# Altium PCB PuttPilot-Node.PcbDoc (part 1 of 2)
Units mm, origin at the board's own origin, x right, y up, seen from the top; angles counter-clockwise.
Board outline 130 x 60 mm, 4 copper layers (L01-SIG, L02-GND, L03-PWR, L04-SIG), stack 0.603 mm thick; 152 components, 66 nets, 381 pads, 496 vias.
Unrouted connection lines stored in the file: 140.
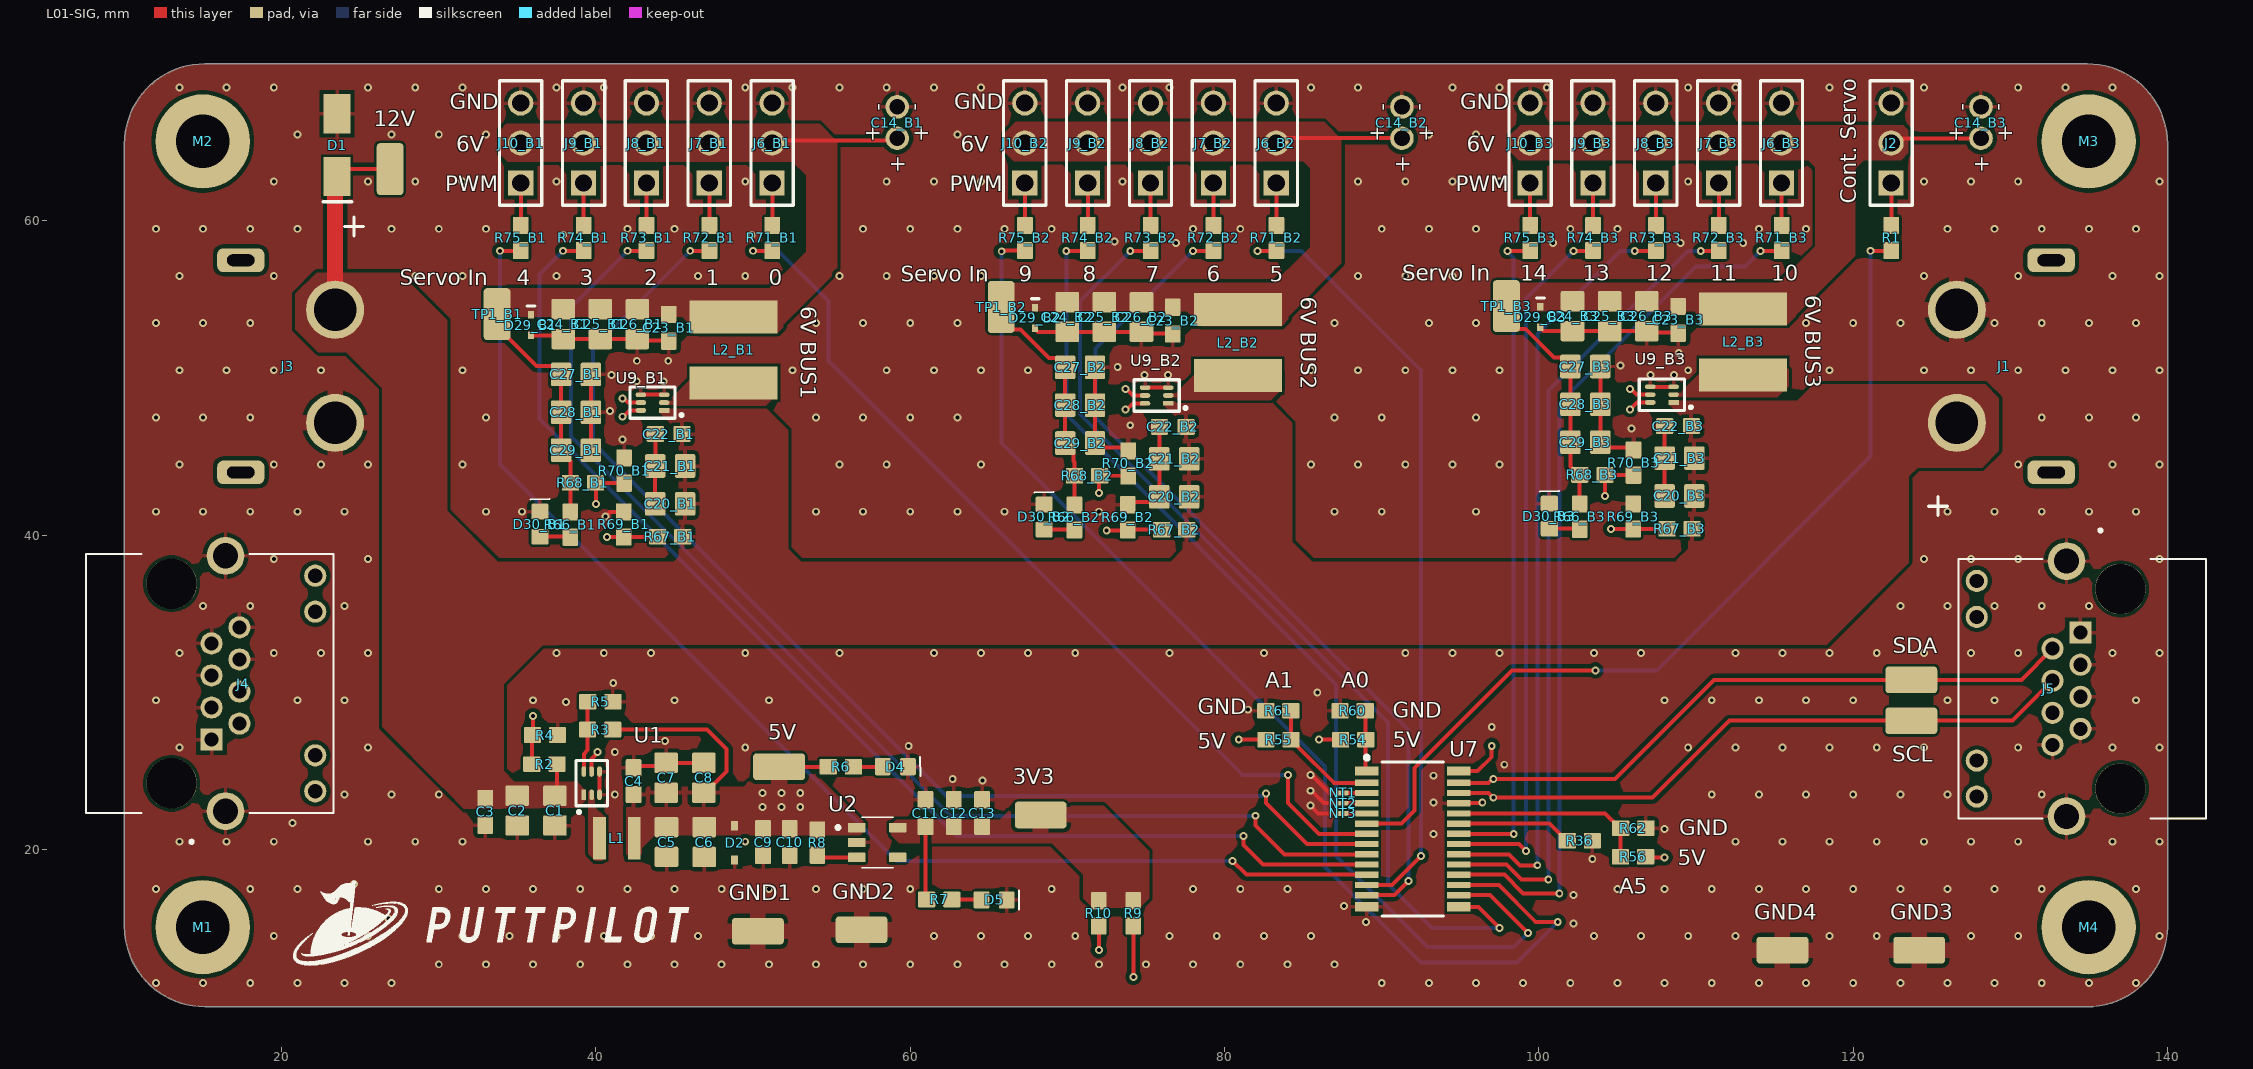
[diagram p0: L01-SIG view]
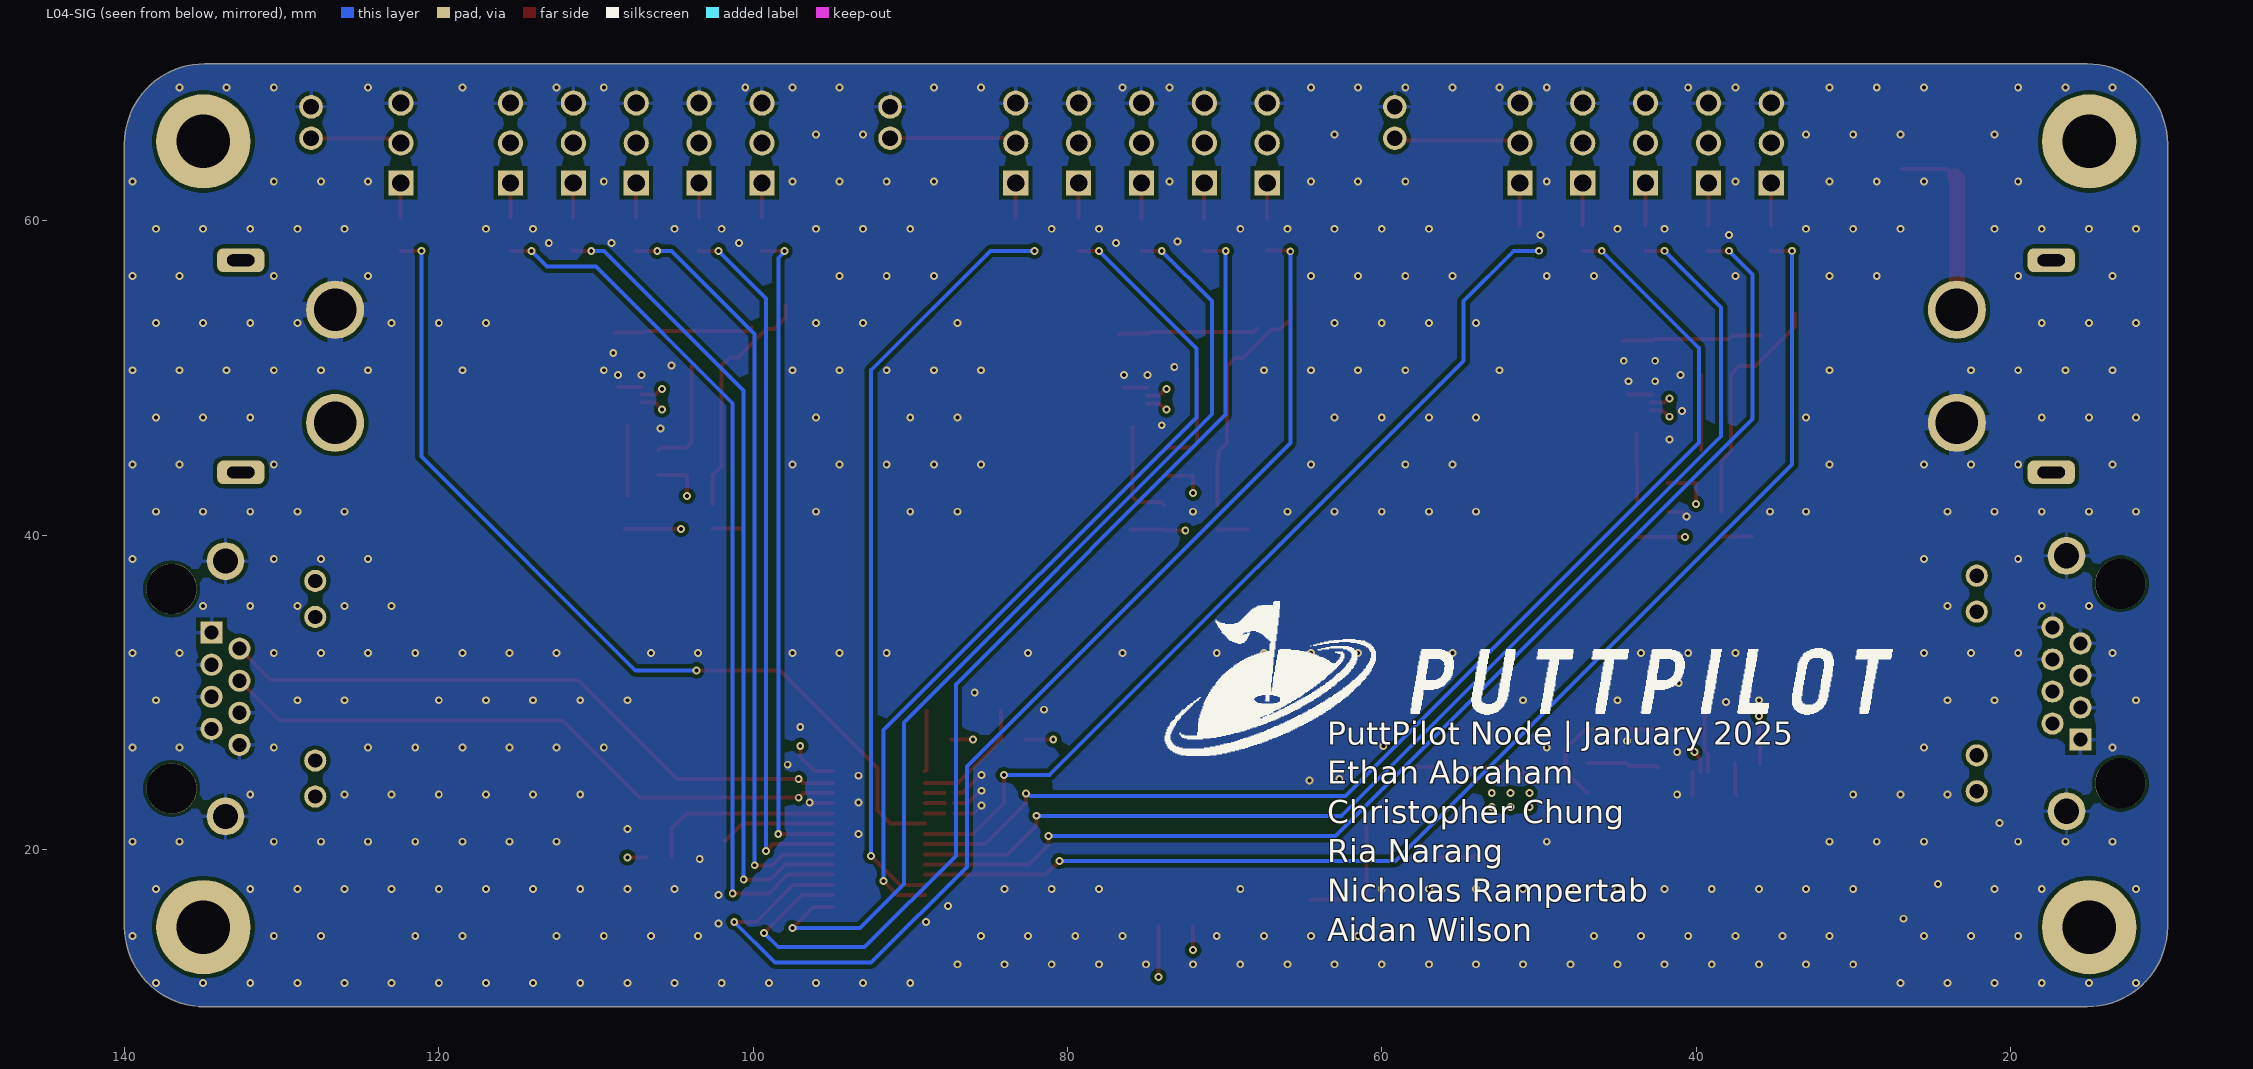
[diagram p1: L04-SIG view, seen from below]
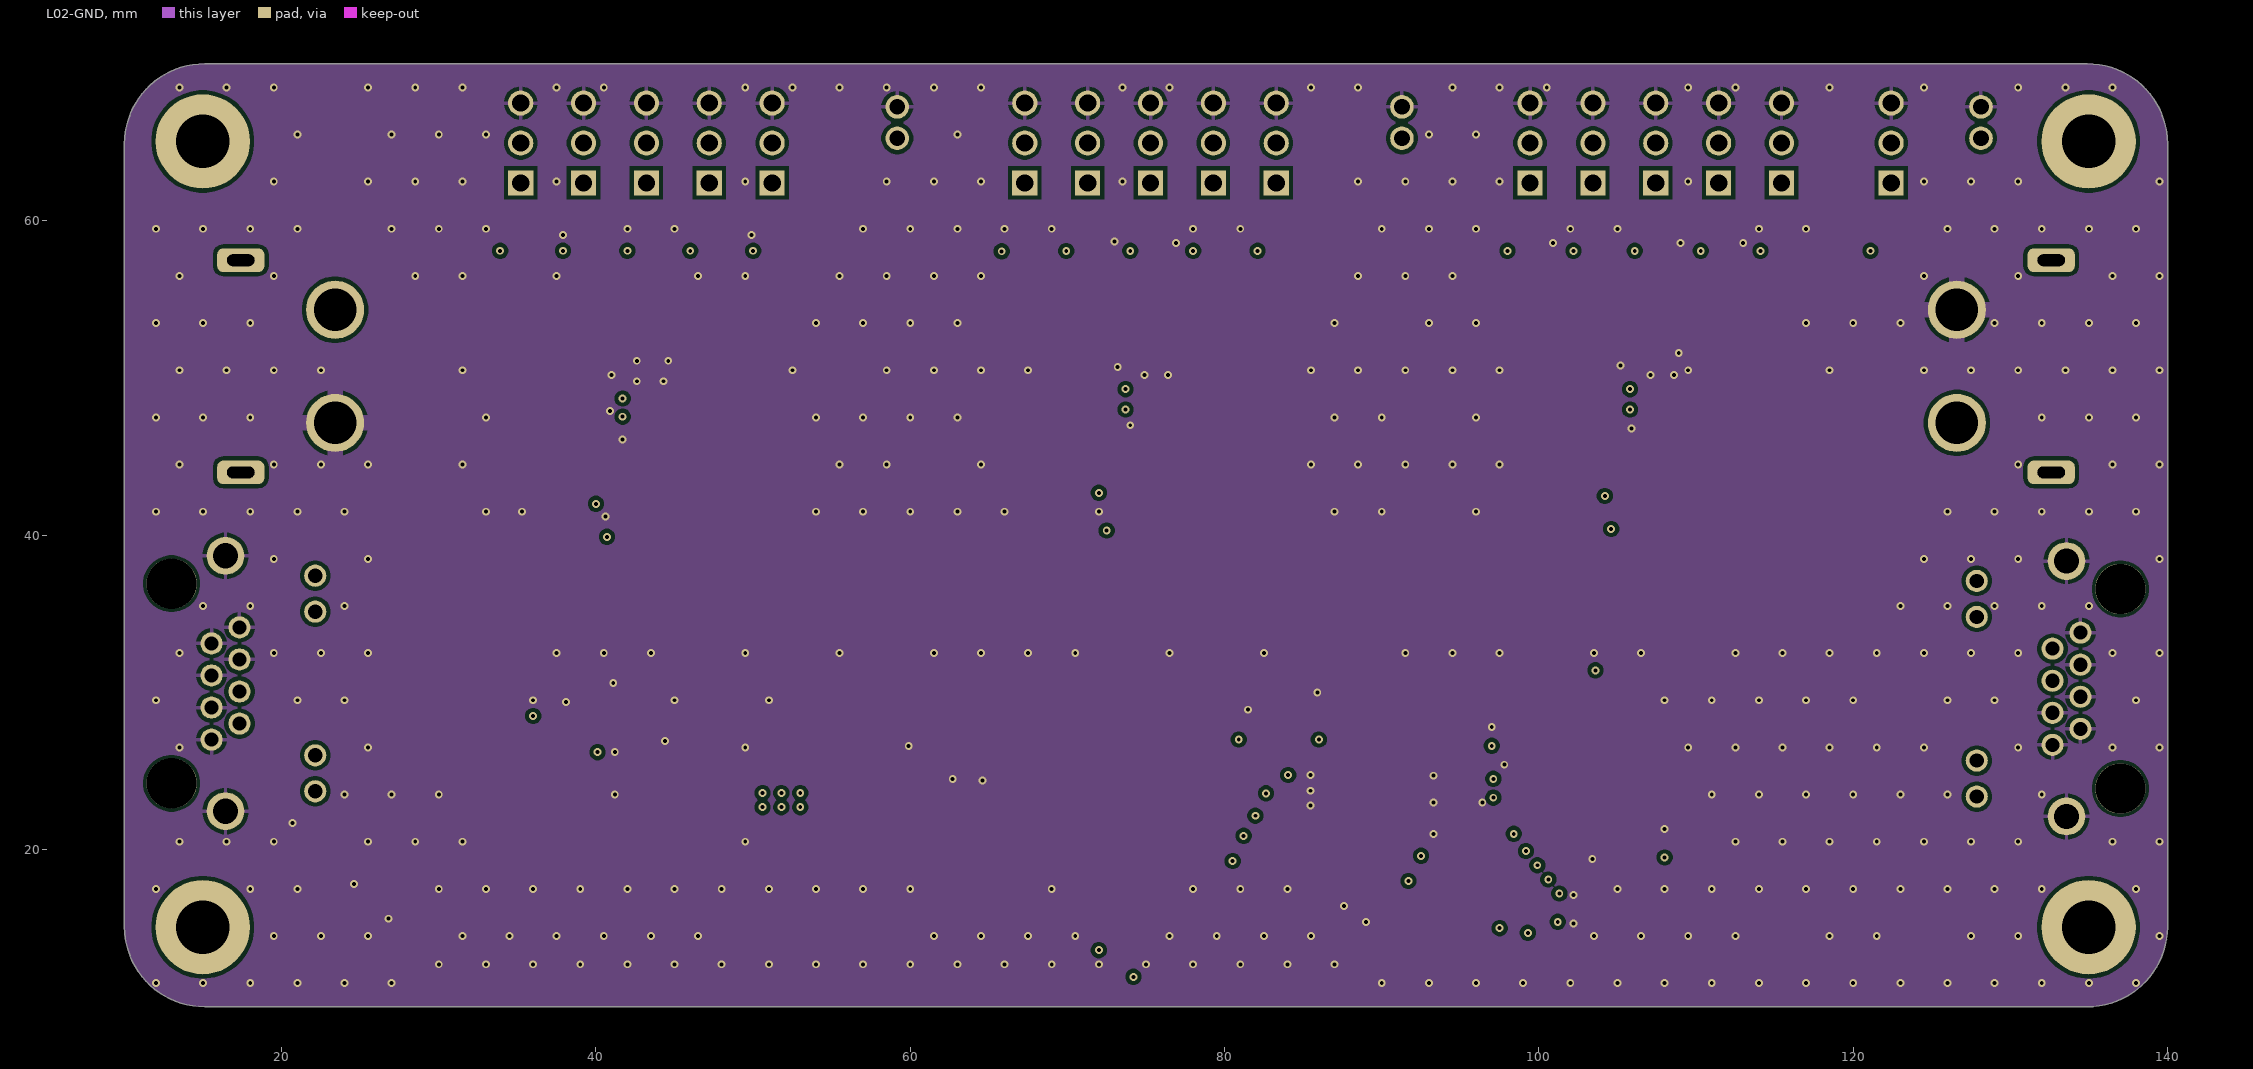
[diagram p2: L02-GND]
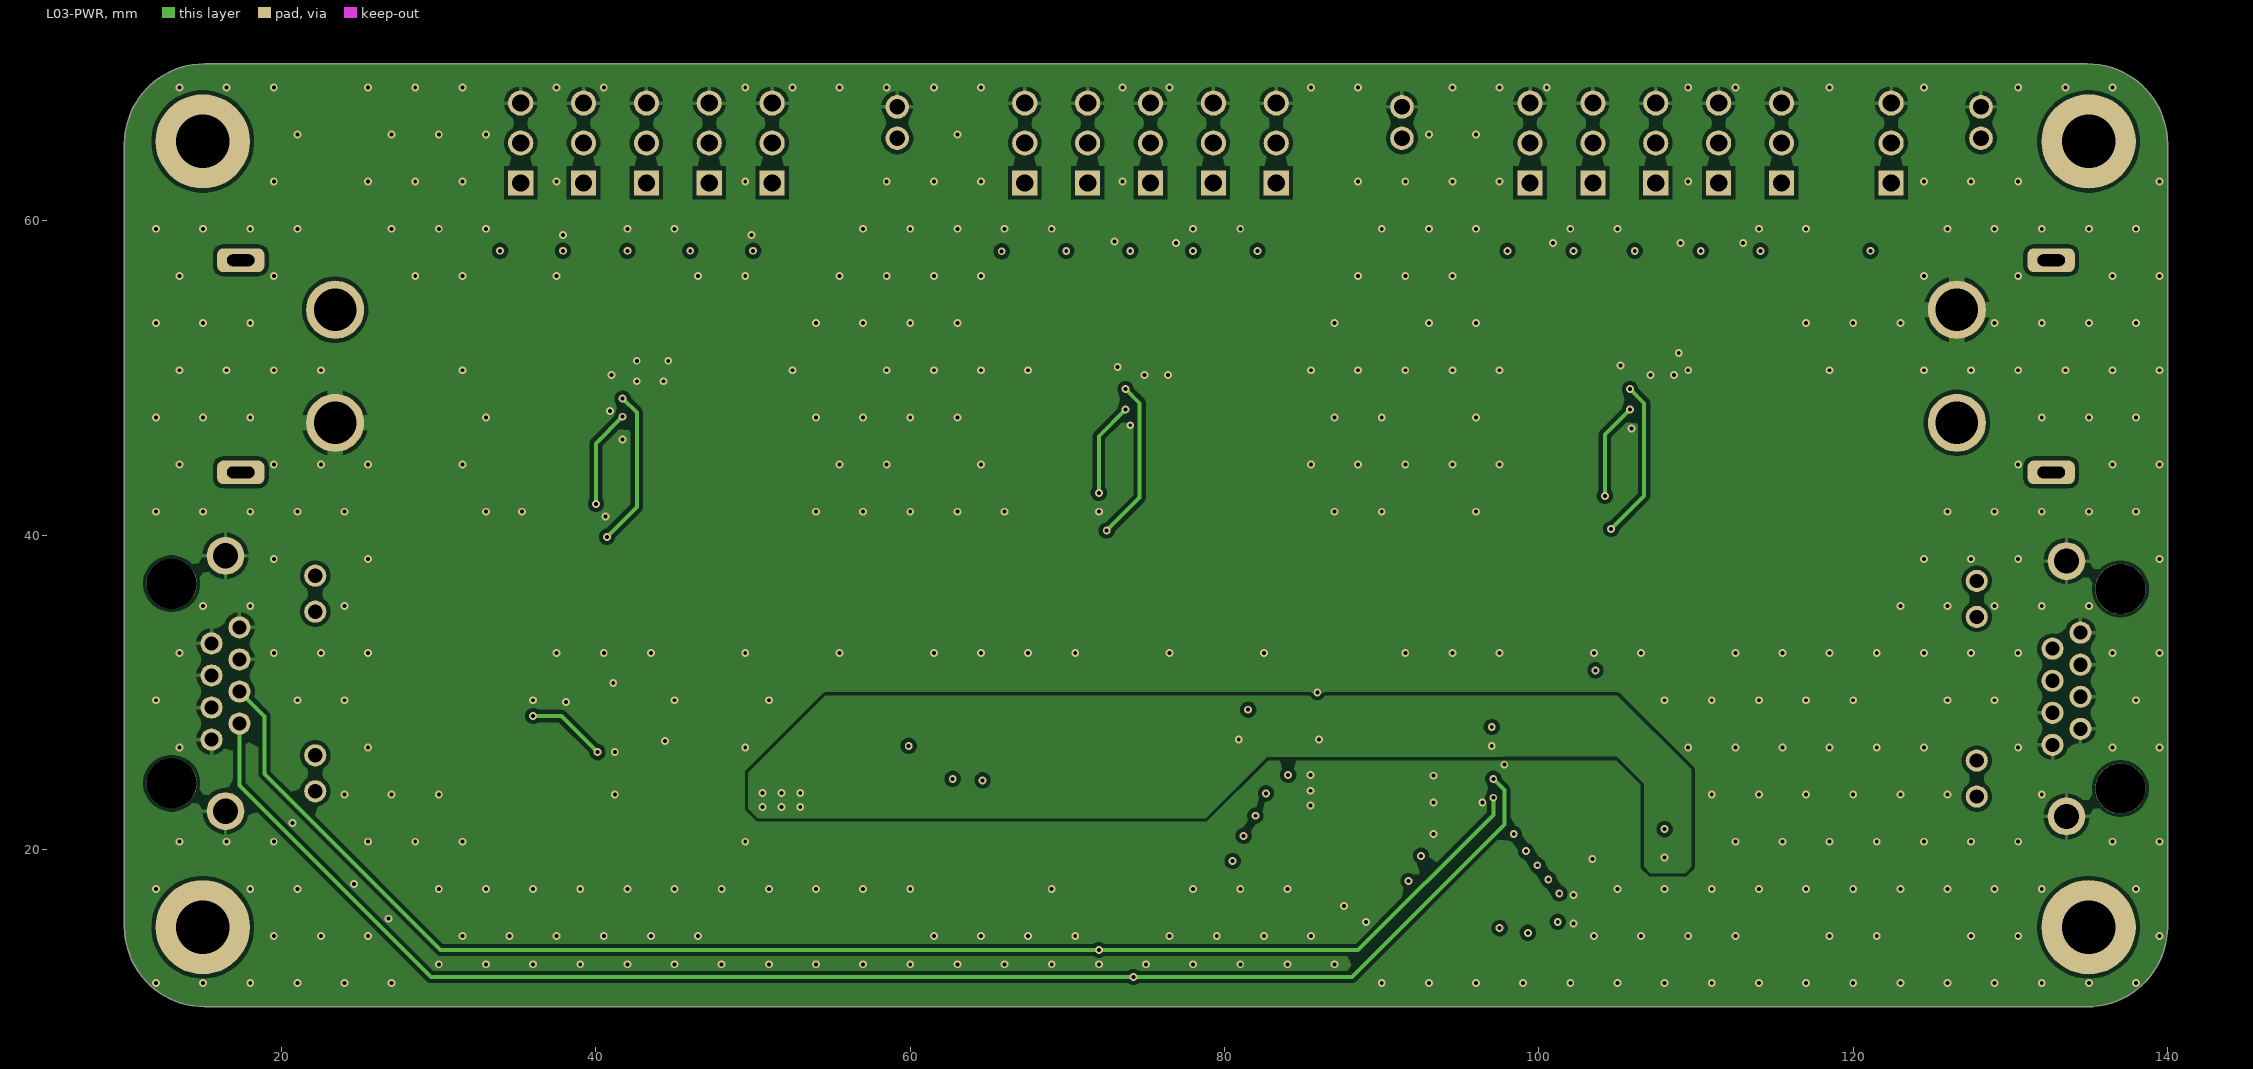
[diagram p3: L03-PWR]
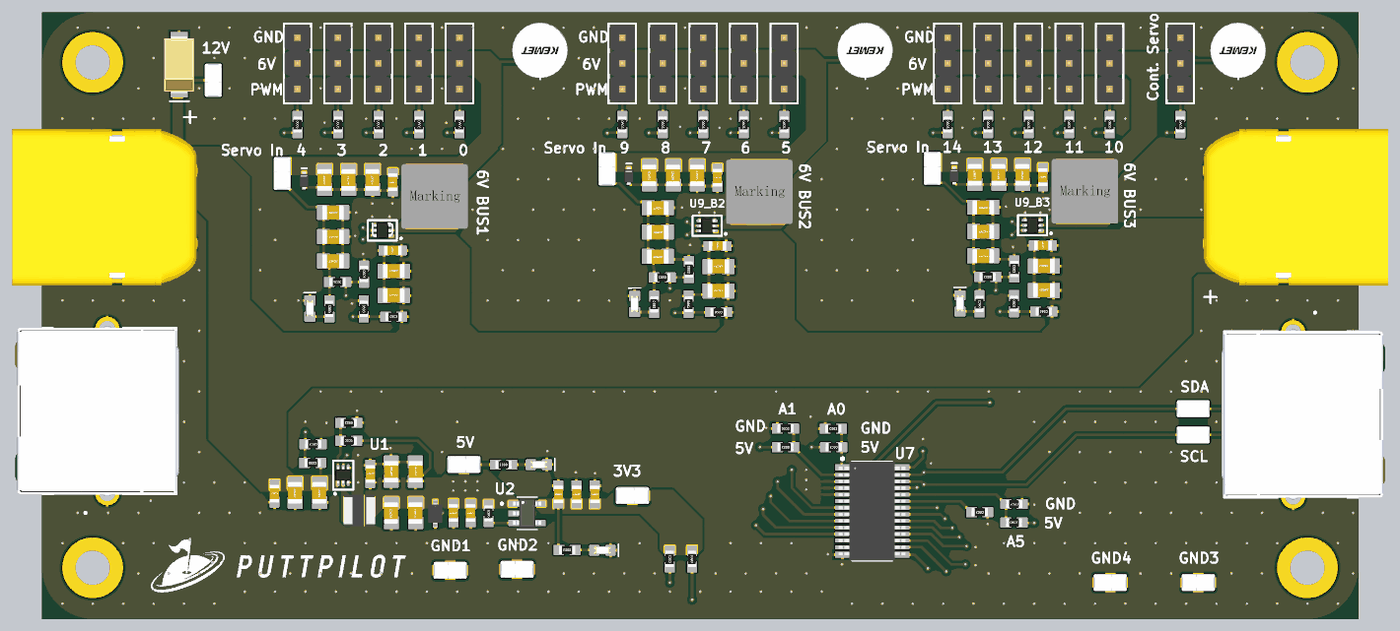
[diagram p5: 3D render of the assembled board from above, using the file's embedded part models]

## Layer stack, top to bottom
Top Solder: solder mask 0.0102, Solder Resist, Dk 3.5
L01-SIG: signal copper 0.0356
Dielectric 2: prepreg 0.0711, PP-006, Dk 4.1
L02-GND: signal copper 0.035
Dielectric 1: dielectric 0.32, FR-4, Dk 4.8
L03-PWR: signal copper 0.035
Dielectric 3: prepreg 0.0711, PP-006, Dk 4.1
L04-SIG: signal copper 0.0356
Bottom Solder: solder mask 0.0102, Solder Resist, Dk 3.5

## Board outline
15.1,10 cw(c15.1,15.1) 10,15.1 10,64.9 cw(c15.1,64.9) 15.1,70 15.101,70 134.9,70 cw(c134.9,64.9) 140,64.9 140,15.05 cw(c134.9,15.1) 134.9,10

## Design rules (kind name [scope] priority, off if disabled: settings)
Clearance [Not InComponent('NT*')] p1: gap=0.254 ignorepadtopadclearanceinfootprint=FALSE except(0: Arc-Hole Track-Hole SMDPad-Hole THPad-Hole Via-Hole Text-Hole; 0.1: SMDPad-SMDPad; 0.15: Arc-Arc Arc-Track Arc-SMDPad Arc-Via Track-Track Track-SMDPad Track-Via SMDPad-Fill SMDPad-Poly SMDPad-Region; 0.2: Fill-Fill Fill-Poly Fill-Region Fill-Hole Poly-Poly Poly-Region Poly-Hole Region-Region Region-Hole)
HoleSize [All] p1: absolutevalues=TRUE maxlimit=4 minlimit=0.025 maxpercent=80.000 minpercent=20.000
MinimumSolderMaskSliver [All] p1: minsoldermaskwidth=0.01
PolygonConnect [All] p1: connectstyle=Relief reliefconductorwidth=0.254 reliefentries=4 polygonreliefangle="90 Angle" airgapwidth=0.254
RoomDefinition B2 [InComponentClass('B2')and not InComponent('C14_B2')] p1: confinementstyle=ConfineIn formatcopy=TRUE lockcomponents=FALSE outline 63.929,37.9 86.288,37.9 86.288,79.172 63.929,79.172
RoomDefinition B3 [InComponentClass('B3')and not InComponent('C14_B3')] p2: confinementstyle=ConfineIn formatcopy=TRUE lockcomponents=FALSE outline 96.079,38.222 118.438,38.222 118.438,79.172 96.079,79.172
RoomDefinition B1 [InComponentClass('B1')and not InComponent('C14_B1')] p3: confinementstyle=ConfineIn formatcopy=TRUE lockcomponents=FALSE outline 31.851,38.222 54.21,38.222 54.21,79.172 31.851,79.172
RoutingVias [All] p1: holewidth=0.25 width=0.5 viastyle="Through Hole" minholewidth=0.25 minwidth=0.5 maxholewidth=0.25 maxwidth=0.5
ShortCircuit [Not InComponent('NT*')] p1: allowed=FALSE
SilkToSolderMaskClearance [IsPad] p1: minsilkscreentomaskgap=0.127 clearancetoexposedcopper=TRUE
SolderMaskExpansion [All] p1: expansion=0.102 istentingtop=FALSE
SupplyNets "Schematic Supply Nets_3" [InNet('12V')] p1: voltage=0.000
SupplyNets "Schematic Supply Nets_2" [InNet('5V')] p2: voltage=0.000
SupplyNets "Schematic Supply Nets_1" [InNet('GND')] p3: voltage=0.000
SupplyNets "Schematic Supply Nets" [InNet('3V3')] p4: voltage=0.000
Width [All] p1: maxlimit=2 minlimit=0.254 preferedwidth=0.254 midlayer1_maxwidth=1 midlayer2_maxwidth=1 bottomlayer_maxwidth=1 minimp=50.000000 maximp=50.000000 favimp=50.000000
26 further rules are at their usual default settings.
